# Altium PCB PCB_ControlCard.PcbDoc (part 4 of 4) (continued)
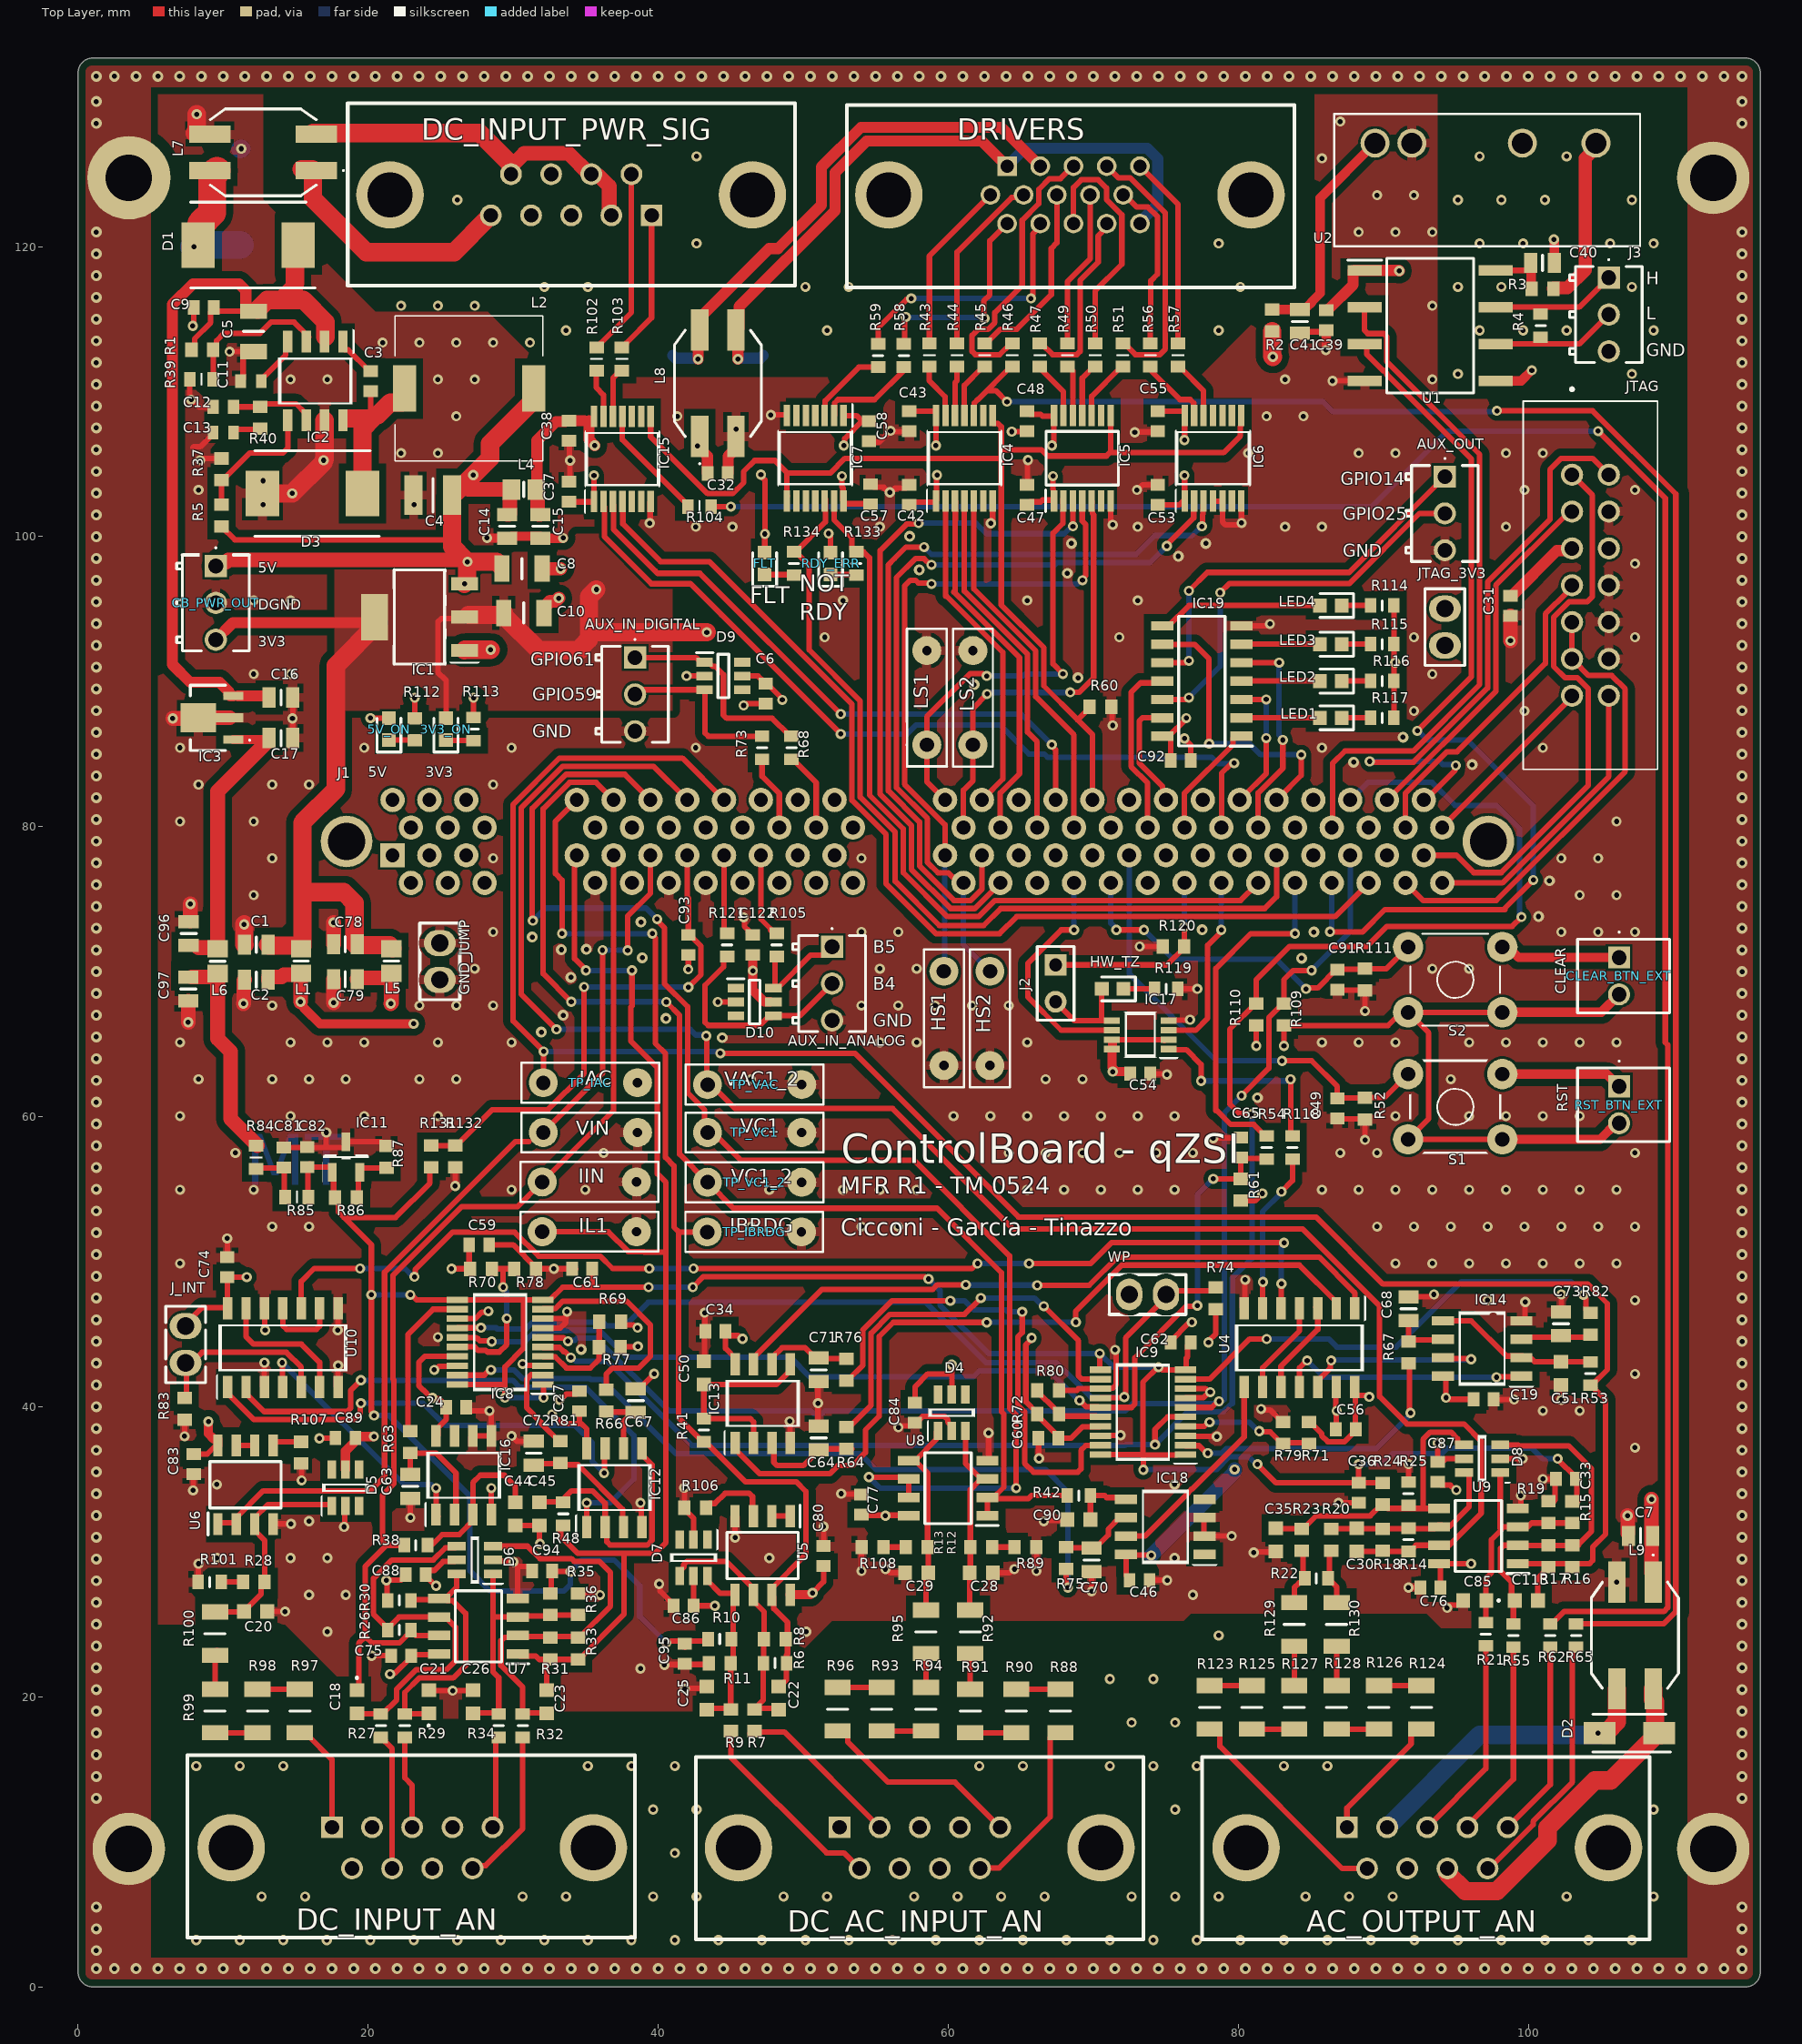
[diagram p0: Top Layer view]
## Nets (pads, with @x,y where several pads share a name; then routed paths per layer and width w, separated by ;. In a path a pad name is that pad's centre, name@x,y a point inside that pad or via, vN(x,y) a via of type N, cw(c..) or ccw(c..) an arc to the next point about the centre after c; other vN are vias at no path point) (continued)
NetR99_1: R99.1 R100.2 | length 2.7
  Top Layer w0.381: R99.1@9.445,20.518 R100.2@9.445,22.852 9.445,23.082 R100.2@9.572,23.209
NetR106_2: R106.2 U5.3 | length 5
  Top Layer w0.381: R106.2@43.382,33.135 43.382,33.163 43.549,33.33 43.91,33.33 44.614,34.033 46.281,34.033 46.504,33.81 46.504,32.521 U5.3@46.569,32.456
NetR107_2: R107.2 U6.5 | length 2.4
  Top Layer w0.381: U6.5@13.446,37.331 13.446,37.457 13.581,37.592 R107.2@15.64,37.592
NetR118_1: R118.1 U4.6 | length 11.1
  Top Layer w0.381: U4.6@81.68,46.781 81.694,46.795 81.694,48.595 v2(81.708,48.609) ; v2(82.978,54.832) 83.74,55.594 R118.1@83.74,57.08
  Bottom Layer w0.381: v2(81.708,48.609) 81.68,48.637 81.68,53.461 82.94,54.721 v2@83.026,54.721
NetR123_1: R123.1 R125.2 | length 3
  Top Layer w0.381: R123.1@78.025,20.772 80.843,20.772 R125.2@80.946,20.669
NetR124_1: R124.1 R126.2 | length 2.9
  Top Layer w0.381: R126.2@89.709,20.772 92.606,20.772 R124.1@92.63,20.796
NetR125_1: R125.1 R127.2 | length 2.9
  Top Layer w0.381: R125.1@80.946,17.772 83.843,17.772 R127.2@83.867,17.748
NetR126_1: R126.1 R128.2 | length 2.6
  Top Layer w0.381: R128.2@86.788,17.772 89.177,17.772 R126.1@89.328,17.621
NetR127_1: R127.1 R129.2 | length 2.7
  Top Layer w0.381: R127.1@83.867,20.772 R129.2@83.867,23.487
NetR128_1: R128.1 R130.2 | length 2.7
  Top Layer w0.381: R128.1@86.788,20.772 R130.2@86.788,23.487
NetR133_2: R133.2 RDY_ERR.1 | length 2
  Top Layer w0.381: RDY_ERR.1@51.886,97.405 51.911,97.38 53.752,97.38 R133.2@53.816,97.444
NetU4_3: U4.3 U4.10 | length 6.6
  Top Layer w0.381: U4.10@82.95,41.357 82.95,42.799 85.49,45.339 85.49,46.736 U4.3@85.363,46.863
NetU4_4: U4.4 U4.9 | length 6.3
  Top Layer w0.381: U4.9@81.68,41.357 81.68,42.691 84.22,45.231 U4.4@84.22,46.609
NetU4_5: U4.5 U10.10 | length 78.2
  Top Layer w0.381: U10.10@15.386,46.781 15.386,48.641 16.275,49.53 v2(19.45,49.53) ; v2(23.193,48.962) 23.237,49.006 23.237,49.459 24.353,50.574 25.807,52.028 30.107,52.028 31.753,50.382 36.009,50.382 36.861,49.53 v2(39.389,49.53) ; v2(42.437,49.53) 61.64,49.53 61.989,49.879 v2(62.023,49.879) ; v2(65.579,49.879) 69.834,49.879 71.263,51.308 v2(83.164,51.308) ; U4.5@82.95,46.736 82.964,46.75 82.964,48.468 v2(82.978,48.482)
  Bottom Layer w0.381: v2(19.45,49.53) 22.539,49.53 23.107,48.962 v2(23.193,48.962) ; v2(39.389,49.53) v2(42.437,49.53) ; v2(62.023,49.879) v2(65.579,49.879) ; v2(82.978,48.482) 82.978,51.036 83.164,51.222 v2(83.164,51.308)
NetU5_1: U5.1 U5.2 | length 1.3
  Top Layer w0.381: U5.2@47.839,32.456 U5.1@49.109,32.456
NetU6_6: U6.6 U6.7 | length 1.4
  Top Layer w0.381: U6.7@10.906,37.331 12.077,37.331 U6.6@12.211,37.465
NetU10_6: U10.6 U10.13 | length 9.3
  Top Layer w0.381: U10.13@11.576,46.609 11.576,44.831 12.093,44.314 15.395,44.314 16.656,43.053 U10.6@16.656,41.357
NetU10_9: U10.9 U10.11 | length 5.1
  Top Layer w0.381: U10.11@14.116,46.736 14.116,45.593 14.37,45.339 16.433,45.339 16.656,45.562 U10.9@16.656,46.781
OC: IC15.4 J1.46 | length 71.8
  Top Layer w0.381: IC15.4@37.564,102.261 37.564,100.881 40.163,98.282 43.529,98.282 53.371,88.44 53.371,81.81 55.721,79.459 55.721,76.057 59.15,72.628 63.544,72.628 64.716,73.8 86.67,73.8 J1.46@88.994,76.124
OC_5V: R62.2 R104.2 | length 155
  Top Layer w0.381: R104.2@43.646,102.076 v2(45.005,102.076) ; R62.2@101.52,25.025 101.62,25.025 102.471,25.876 109.35,25.876 109.615,26.141 109.615,64.958 109.455,65.119 109.455,102.65 v2(104.822,107.283)
  Bottom Layer w0.381: v2(45.005,102.076) 89.222,102.076 94.429,107.283 v2(104.822,107.283)
OCP: J1.36 J2.1 R120.1 | length 13.9
  Top Layer w0.381: J2.1@67.405,70.469 75.088,70.469 76.358,71.739 76.286,71.811 76.286,73.078 v2(76.289,73.081)
  Bottom Layer w0.381: v2(76.289,73.081) 76.295,73.087 J1.36@76.294,76.124
POT1_P0W: IC8.12 R63.2 | length 10.9
  Top Layer w0.381: R63.2@22.907,38.31 22.752,38.465 22.752,44.993 24.484,46.725 IC8.12@26.164,46.725
POT1_P1W: IC8.9 R66.2 | length 15.1
  Top Layer w0.381: IC8.9@32.04,46.725 32.075,46.76 32.908,46.76 33.146,46.997 33.146,47.006 33.417,47.277 37.832,47.277 39.472,45.637 39.472,43.486 38.658,42.672 36.849,42.672 36.416,42.239 R66.2@36.416,41.171
POT1_P2W: IC8.19 R75.2 | length 53.6
  Top Layer w0.381: IC8.19@26.164,42.175 28.01,42.175 28.381,42.546 v2(28.467,42.546) ; R75.2@68.119,28.809 68.119,27.74 68.246,27.613 v2(68.246,27.527)
  Bottom Layer w0.381: v2@28.495,42.513 28.528,42.546 30.042,42.546 30.642,41.946 35.285,41.946 35.353,41.878 36.115,41.878 41.23,36.763 53.93,36.763 55.038,35.655 66.722,35.655 68.246,34.131 v2(68.246,27.527)
POT1_P3W: IC8.2 R81.2 | length 6.9
  Top Layer w0.381: IC8.2@32.277,42.232 31.263,42.232 30.934,41.903 30.934,39.921 31.933,38.922 31.933,38.848 R81.2@33.316,37.465
POT2_P0W: IC9.12 R64.2 | length 27.7
  Top Layer w0.381: R64.2@53.105,38.596 53.18,38.596 54.68,40.096 54.68,45.072 55.982,46.374 61.125,46.374 62.145,47.394 v2@62.226,47.394 ; v2(66.595,46.933) 68.98,44.548 68.98,42.122 69.203,41.899 IC9.12@70.487,41.899
  Bottom Layer w0.381: v2(62.249,47.498) 65.943,47.498 66.509,46.933 v2(66.595,46.933)
POT2_P1W: IC9.9 R82.2 | length 32.6
  Top Layer w0.381: IC9.9@76.363,41.899 78.018,41.899 80.791,44.672 v2(81.962,44.672) ; v2(103.806,47.72) 103.806,47.634 103.977,47.463 103.977,46.705 103.99,46.691 104.073,46.691 R82.2@104.314,46.45
  Bottom Layer w0.381: v2(81.962,44.672) 86.25,44.672 86.811,44.112 90.886,44.112 95.383,48.609 102.948,48.609 103.806,47.751 v2(103.806,47.72)
POT2_P2W: IC9.19 R76.2 | length 33.8
  Top Layer w0.381: R76.2@53.105,41.795 53.105,41.847 54.121,42.863 54.121,45.304 56.125,47.308 v2(60.153,47.308) ; v2(65.103,46.549) 65.103,45.119 64.795,44.811 64.795,40.118 65.27,39.642 65.27,36.104 65.881,35.493 68.934,35.493 69.158,35.716 69.158,36.992 69.497,37.331 70.469,37.331 IC9.19@70.487,37.349
  Bottom Layer w0.381: v2(60.153,47.308) 61.129,47.308 61.765,46.671 63.991,46.671 64.113,46.549 v2(65.103,46.549)
POT2_P3W: IC9.2 R67.2 | length 20.5
  Top Layer w0.381: IC9.2@76.363,37.349 76.398,37.314 77.295,37.314 77.812,36.798 v2(77.898,36.798) ; R67.2@91.75,43 91.821,42.929 91.821,39.639 v2(91.882,39.578)
  Bottom Layer w0.381: v2(77.898,36.798) 78.852,36.798 79.159,37.105 89.508,37.105 91.722,39.319 91.722,39.332 v2@91.959,39.569
RDY: IC7.13 J1.40 R133.1 | length 54.4
  Top Layer w0.381: IC7.13@52.13,102.475 52.13,101.158 53.362,99.927 53.362,99.165 53.482,99.044 R133.1@53.881,99.044 ; R133.1@54.07,98.955 54.17,98.955 54.578,98.547 54.578,82.183 56.901,79.859 56.901,76.835 59.936,73.8 62.1,73.8 63.217,74.917 80.168,74.917 81.307,76.057 J1.40@81.375,76.057
RDY_5V: IC7.2 R58.1 | length 6.6
  Top Layer w0.381: IC7.2@52.13,108.351 52.165,108.385 52.165,109.219 52.403,109.457 54.926,109.457 R58.1@56.943,111.474
RDY_5V_RAW: DRIVERS.11 R58.2 | length 14.6
  Top Layer w0.381: R58.2@56.943,113.29 57.009,113.356 57.009,115.096 v2(57.07,115.157) ; v2(62.498,115.062) 62.446,115.115 62.446,116.258 62.868,116.68 62.868,120.4 DRIVERS.11@64.059,121.591
  Bottom Layer w0.381: v2(57.07,115.157) 57.117,115.11 62.357,115.11 v2@62.404,115.157 ; DRIVERS.11@64.035,121.591 DRIVERS.11@64.103,121.523
RST: IC4.5 J1.80 | length 25.4
  Top Layer w0.381: IC4.5@61.767,102.475 61.767,96.392 66.034,92.125 66.034,88.972 68.674,86.332 J1.80@68.674,79.939
RST_5V: DRIVERS.3 R46.2 | length 19.7
  Top Layer w0.381: R46.2@64.436,113.252 64.246,113.252 63.551,112.556 61.862,112.556 61.646,112.772 61.646,113.877 62.06,114.292 62.743,114.292 63.216,114.765 63.216,115.448 65.102,117.334 65.102,121.82 66.247,122.965 66.247,123.953 66.978,124.684 67.743,124.684 68.609,125.551 DRIVERS.3@68.639,125.551
RST_5V_DRIVER: IC4.10 R46.1 R65.2 | length 139.2
  Top Layer w0.381: IC4.10@61.767,108.351 61.802,108.385 61.802,109.219 62.04,109.457 62.051,109.457 64.354,111.76 R46.1@64.408,111.76 ; 62.785,110.077 63.281,110.077 v2(64.055,109.303) ; v2(97.837,108.68) 104.441,108.68 110.174,102.947 110.174,25.866 109.333,25.025 R65.2@103.298,25.025
  Bottom Layer w0.381: v2(64.055,109.303) 85.851,109.303 86.534,108.62 97.777,108.62 v2(97.837,108.68)
RST_BTN: C49.1 J1.33 R52.2 RST_BTN_EXT.1 S1.1 | length 40.5
  Top Layer w0.381: v2(83.026,63.853) 85.07,63.853 86.836,62.087 C49.1@86.836,61.253 86.866,61.283 R52.2@88.699,61.283 ; R52.2@88.741,61.313 90.087,61.313 S1.1@91.714,62.94 91.75,62.976 S1.1@91.789,62.976
  Top Layer w0.635: S1.1@98.214,62.94 105.414,62.94 106.14,62.214 RST_BTN_EXT.1@106.267,62.214
  Bottom Layer w0.381: J1.33@72.231,77.835 72.484,77.582 72.484,69.862 78.481,63.865 83.014,63.865 v2(83.026,63.853)
RX-SLAVE: J1.43
SB1: IC4.3 J1.76 | length 26.2
  Top Layer w0.381: 60.496,101.166 60.496,102.446 IC4.3@60.467,102.475 60.467,96.262 60.392,96.187 64.916,91.662 64.916,83.645 63.594,82.324 63.594,80.212 J1.76@63.519,80.137
  Bottom Layer w0.381: J1.76@63.519,79.883 J1.76@63.585,79.949
SB1_5V: DRIVERS.7 R44.2 | length 12.6
  Top Layer w0.381: R44.2@60.795,113.411 60.672,113.534 60.609,113.534 60.609,119.617 64.378,123.386 65.019,123.386 DRIVERS.7@65.204,123.571
SB2: IC5.3 J1.26 | length 47.2
  Top Layer w0.381: v2(57.959,100.933) 57.898,100.872 57.136,100.872 55.315,99.051 55.315,82.236 57.46,80.091 57.46,77.066 60.168,74.358 61.829,74.358 J1.26@63.594,76.124 ; IC5.3@68.595,102.475 68.597,102.473 68.597,100.713 v2(68.599,100.711)
  Bottom Layer w0.381: v2(57.959,100.933) 61.915,100.933 62.645,100.203 68.005,100.203 68.513,100.711 v2(68.599,100.711)
SB2_5V: DRIVERS.9 R49.2 | length 10.9
  Top Layer w0.381: R49.2@68.229,113.325 68.229,117.602 69.784,119.157 DRIVERS.9@69.784,123.571
SCL: IC8.5 IC9.5 J1.95 R110.1 | length 126.4
  Top Layer w0.381: IC8.5@32.04,44.125 32.075,44.09 33.192,44.09 33.484,43.798 33.566,43.798 v2(33.974,43.39) ; v2(74.263,37.389) 74.263,38.438 75.124,39.299 IC9.5@76.363,39.299 ; v2(80.925,60.187) 80.885,60.227 80.06,60.227 79.422,60.865 79.422,66.039 81.248,67.865 81.248,69.453 83.543,71.748 88.877,71.748 90.25,73.121 98.883,73.121 99.532,73.771 v2(99.536,73.771)
  Bottom Layer w0.381: v2(33.974,43.39) 34.06,43.39 34.328,43.123 36.529,43.123 42.329,37.322 72.184,37.322 72.251,37.389 v2(74.263,37.389) 76.529,39.655 78.977,39.655 79.549,40.227 ; 79.597,40.227 79.597,48.879 80.946,50.228 80.946,60.166 v2(80.925,60.187) ; J1.95@87.724,81.844 88.931,83.05 93.372,83.05 94.96,81.462 97.809,81.462 99.409,79.862 99.409,73.898 v2(99.536,73.771)
SDA: IC8.6 IC9.6 J1.45 R109.1 | length 94.1
  Top Layer w0.381: IC8.6@32.04,44.775 32.066,44.749 33.463,44.749 33.695,44.516 v2(33.782,44.516) ; IC9.6@76.363,39.949 78.169,39.949 78.594,40.374 v2(78.68,40.374) ; v2(80.232,61.452) 82.116,63.336 82.116,66.828 83.09,67.802 83.153,67.802 83.153,69.453 83.788,70.088 v2(85.058,70.088)
  Bottom Layer w0.381: v2(33.782,44.516) 33.843,44.577 34.258,44.577 34.403,44.723 35.719,44.723 40.723,39.719 50.53,39.719 50.724,39.525 51.32,39.525 51.514,39.719 72.215,39.719 72.71,40.214 78.434,40.214 78.594,40.374 v2(78.68,40.374) ; v2@78.757,40.225 79.038,40.506 79.038,60.258 v2(80.232,61.452) ; v2(85.058,70.088) 87.724,72.754 J1.45@87.724,78.029
TCK: J1.48 JTAG.9 JTAG.11 | length 32
  Top Layer w0.381: J1.48@91.534,76.124 92.741,74.917 97.801,74.917 106.689,83.805 106.689,89.496 105.764,90.422 104.161,90.422 JTAG.11@103.143,91.44 ; JTAG.9@102.612,93.98 103.016,93.576 JTAG.11@103.016,91.567
TDI: J1.97 JTAG.3 | length 25
  Top Layer w0.381: J1.97@90.264,81.844 90.273,81.844 97.758,89.329 97.758,96.655 JTAG.3@102.796,101.693
TDO: J1.98 JTAG.7 | length 21.5
  Top Layer w0.381: J1.98@91.534,79.939 91.534,82.315 94.393,85.173 95.098,85.173 101.187,91.262 101.187,94.671 102.714,96.198 JTAG.7@102.714,96.441
TMS: J1.49 JTAG.1 | length 39.7
  Top Layer w0.381: J1.49@92.804,78.029 95.05,78.029 96.244,76.836 98.139,76.836 104.149,82.846 104.149,89.496 103.368,90.278 102.527,90.278 101.746,91.059 101.746,94.44 102.81,95.504 104.063,95.504 104.423,95.864 104.423,102.86 JTAG.1@103.016,104.267
TRSTN: J1.99 JTAG.2 | length 41.3
  Top Layer w0.381: v2(89.068,84.502) 89.117,84.453 92.092,84.453 97.199,89.56 97.199,96.886 101.492,101.179 101.492,104.618 102.274,105.4 104.423,105.4 JTAG.2@105.556,104.267 ; J1.99@92.856,81.788 94.942,83.874 94.942,84.161 v2(95.003,84.222)
  Bottom Layer w0.381: v2(89.068,84.502) 93.891,84.502 94.11,84.283 94.942,84.283 v2(95.003,84.222)
TX-SLAVE: J1.93
TZ-5: IC17.3 J1.38 | length 12.7
  Top Layer w0.381: IC17.3@75.197,65.968 77.077,65.968 77.895,66.786 77.895,71.815 78.835,72.755 v2(78.835,72.882)
  Bottom Layer w0.381: J1.38@78.708,76.057 78.835,75.93 v2@78.835,72.882
VAC1_2: C30.1 J1.63 R14.2 R18.2 TP_VAC.1 U9.7 | length 126.1
  Top Layer w0.381: v2(32.988,66.024) 30.552,68.46 30.552,81.299 33.422,84.168 39.68,84.168 J1.63@42.004,81.844 ; v2(43.319,65.576) 43.36,65.535 43.36,62.256 TP_VAC.1@43.402,62.214 43.656,62.214 45.307,60.563 56.165,60.563 64.478,52.25 84.445,52.25 89.75,46.945 89.75,40.693 91.635,38.809 95.575,38.809 96.75,37.634 96.75,32.652 94.546,30.448 94.109,30.448 92.26,30.448 91.752,29.94 R14.2@91.741,29.94 ; C30.1@88.185,30.029 R14.2@91.703,30.029
  Bottom Layer w0.381: v2(32.988,66.024) 42.207,66.024 42.593,65.637 43.258,65.637 v2(43.319,65.576) ; TP_VAC.1@43.149,62.341 TP_VAC.1@43.478,62.67
VAC1_AO+: C35.1 D8.4 R23.1 R24.1 R25.1 U9.5 | length 20.5
  Top Layer w0.381: C35.1@82.597,31.629 82.622,31.604 84.362,31.604 R23.1@84.375,31.591 ; R23.1@84.439,31.528 85.383,32.472 89.106,32.472 89.888,33.254 R24.1@89.963,33.254 ; R24.1@90.05,33.242 90.304,32.988 91.741,32.988 92.75,32.988 ; U9.5@94.109,32.988 92.75,32.988 ; D8.4@95.571,37.367 95.246,37.367 95.137,37.477 95.137,37.802 94.688,38.25 93.25,38.25 92.75,37.75 92.75,32.988
VAC1_sns: AC_OUTPUT_AN.6 R123.2 | length 15.5
  Top Layer w0.381: R123.2@77.898,17.748 78.424,17.748 78.735,17.438 78.735,16.582 87.156,8.16 AC_OUTPUT_AN.6@88.885,8.16
VAC2_AO-: C30.2 D8.6 R14.1 R18.1 R20.1 U9.6 | length 12.7
  Top Layer w0.381: R20.1@86.407,31.579 R18.1@89.963,31.579 93.533,31.579 93.798,31.845 U9.6@94.027,31.845 ; U9.6@94.154,31.718 94.546,31.718 95.932,33.104 95.932,35.358 95.823,35.467 D8.6@95.571,35.467
VAC2_sns: AC_OUTPUT_AN.1 R124.2 | length 8.8
  Top Layer w0.381: AC_OUTPUT_AN.1@87.5,11 87.5,12.322 91.92,16.742 91.92,17.438 92.104,17.621 R124.2@92.376,17.621
VC1: J1.61 TP_VC1.1 U8.6 U8.7 | length 98.4
  Top Layer w0.381: v2(31.351,73.517) 31.312,73.556 31.312,81.268 33.653,83.609 37.699,83.609 39.266,82.042 J1.61@39.643,82.042 ; v2(39.925,73.628) 39.925,73.542 40.433,73.034 40.433,69.183 42.034,67.582 42.034,61.647 43.197,60.484 43.197,59.117 TP_VC1.1@43.402,58.912 43.783,58.912 45.688,57.007 57.626,57.007 64.236,50.397 64.236,39.886 64.69,39.432 v2(64.69,34.385) ; v2(54.53,35.147) 57.197,35.147 57.279,35.065 U8.7@57.279,33.75 ; U8.7@57.197,33.75 U8.7@57.279,33.832
  Bottom Layer w0.381: v2(31.351,73.517) 32.224,74.39 39.163,74.39 v2(39.925,73.628) ; v2(54.53,35.147) 55.292,34.385 v2(64.69,34.385)
VC1_2: J1.59 R42.1 TP_VC1_2.1 U8.1 U8.2 | length 86
  Top Layer w0.381: v2(34.004,67.929) 32.069,69.864 32.069,81.235 33.884,83.05 35.718,83.05 J1.59@36.924,81.844 ; v2(40.56,67.913) 41.475,66.998 41.475,57.41 TP_VC1_2.1@43.402,55.483 ; TP_VC1_2.1@43.418,55.467 45.196,53.689 59.229,53.689 63.677,49.241 63.677,39.655 63.834,39.498 63.834,34.443 63.057,33.667 62.995,33.667 65.532,33.667 65.742,33.877 R42.1@68.208,33.877 ; U8.1@62.703,32.525 U8.2@62.703,33.75 U8.2@62.912,33.75
  Bottom Layer w0.381: v2(34.004,67.929) 40.544,67.929 v2(40.56,67.913)
VC1_2_AO+: C28.1 D4.3 R12.2 R92.1 U8.3 | length 13.1
  Top Layer w0.381: D4.3@61.134,38.322 61.195,38.261 61.195,36.091 62.266,35.02 U8.3@62.703,35.02 ; C28.1@61.477,28.797 61.477,26.017 R92.1@61.515,25.979 ; C28.1@61.527,28.797 R12.2@61.527,30.079 ; R12.2@61.527,30.321 61.527,34.281 U8.3@62.139,34.893
VC1_2_sns: DC_AC_INPUT_AN.9 R88.2 | length 12.7
  Top Layer w0.381: DC_AC_INPUT_AN.9@62.195,8.16 62.227,8.192 63.517,8.192 67.028,11.704 67.028,17.184 67.212,17.367 R88.2@67.865,17.367
VC1_2_TR: C70.1 IC18.6 R75.1 | length 5.1
  Top Layer w0.381: R75.1@68.119,30.309 68.147,30.281 C70.1@69.897,30.281 ; C70.1@69.897,30.252 70.137,30.252 71.047,31.162 71.047,31.573 71.827,32.353 IC18.6@72.056,32.353
VC1_2_Trp: IC18.7 U4.8 | length 14.4
  Top Layer w0.381: IC18.7@72.265,31.083 73.58,31.083 76.558,34.061 76.558,34.101 76.774,34.316 76.813,34.316 80.41,37.913 U4.8@80.41,41.357
VC1_AO+: C29.1 D4.1 R13.2 R95.1 U8.5 | length 13.8
  Top Layer w0.381: U8.5@57.279,36.29 U8.5@57.716,36.29 ; R95.1@58.467,25.979 58.467,28.632 58.632,28.797 R13.2@58.632,30.144 ; R13.2@58.582,30.321 58.582,35.424 U8.5@57.716,36.29 ; D4.1@59.356,38.449 59.186,38.279 59.186,37.759 U8.5@57.716,36.29
VC1_sns: DC_AC_INPUT_AN.5 R96.2 | length 14.1
  Top Layer w0.381: R96.2@52.498,17.621 52.77,17.621 53.081,17.311 53.081,16.875 55.842,14.114 60.466,14.114 DC_AC_INPUT_AN.5@63.58,11
VIN: J1.11 TP_VIN.1 U6.1 U6.2 | length 64.1
  Top Layer w0.381: U6.1@9.636,31.907 9.733,32.004 U6.2@10.906,32.004 ; U6.2@10.906,31.907 U6.2@10.906,32.004 ; 31.077,58.293 30.153,58.293 21.13,49.269 21.13,35.177 20.153,34.2 12.762,34.2 10.906,32.345 U6.2@10.906,32.004 ; TP_VIN.1@32.055,58.833 32.055,58.891 36.163,62.999 v2(36.163,71.485) ; v2(37.893,71.469) 37.893,73.831 39.464,75.402 J1.11@39.464,77.926
  Bottom Layer w0.381: v2(36.163,71.485) 36.171,71.477 37.885,71.477 v2(37.893,71.469)
Vin_AO+: C20.1 D5.1 R28.2 R100.1 U6.3 | length 14.9
  Top Layer w0.381: R100.1@9.445,25.852 9.457,25.864 C20.1@11.338,25.864 ; C20.1@11.439,25.876 11.439,25.901 12.628,27.09 12.628,27.662 R28.2@12.868,27.902 ; U6.3@12.112,31.907 12.112,31.534 12.862,30.784 R28.2@12.862,27.908 ; U6.3@12.176,31.907 12.176,32.345 13.074,33.242 D5.1@17.446,33.242
Vin_sns: DC_INPUT_AN.1 R97.2 | length 7.8
  Top Layer w0.381: R97.2@15.057,17.549 R97.2@15.287,17.549 ; R97.2@15.287,17.367 15.813,17.367 17.5,15.68 DC_INPUT_AN.1@17.5,11
VSEL_1: IC15.2 J1.88 | length 57.3
  Top Layer w0.381: IC15.2@36.286,102.076 36.286,100 39.537,96.749 42.229,96.749 44.366,94.612 v2(52.59,86.389) ; J1.88@78.886,80.137 78.85,80.173 78.85,83.689 79.474,84.312 79.562,84.312 79.638,84.388 v2(79.724,84.388)
  Bottom Layer w0.381: v2(52.59,86.389) 57.159,86.389 57.788,87.017 63.557,87.017 65.567,85.007 66.636,85.007 66.856,84.787 78.181,84.787 78.612,84.356 79.692,84.356 v2(79.724,84.388)
VSEL_1_5V: DC_INPUT_PWR_SIG.6 R102.2 | length 12.8
  Top Layer w0.381: R102.2@35.75,113.05 35.85,113.05 36.06,113.26 36.06,113.36 38.159,115.459 38.159,124.659 DC_INPUT_PWR_SIG.6@38.25,124.75
ZR1: IC6.3 J1.25 | length 54.3
  Top Layer w0.381: v2(58.34,99.282) 58.339,99.283 57.092,99.283 56.3,98.491 55.873,98.065 55.873,82.468 58.019,80.322 58.019,77.298 60.399,74.917 61.554,74.917 62.324,75.688 J1.25@62.324,78.029 ; v2(77.489,100.711) 77.55,100.772 77.55,101.534 77.578,101.562 77.578,102.197 IC6.3@77.616,102.235
  Bottom Layer w0.381: v2(58.34,99.282) 58.848,98.774 72.945,98.774 74.247,100.076 76.821,100.076 77.456,100.711 v2(77.489,100.711)
ZR1_5V: DRIVERS.5 R57.2 | length 13.5
  Top Layer w0.381: DRIVERS.5@73.219,125.551 75.838,122.932 R57.2@75.838,113.157
ZR2: IC4.2 J1.75 | length 22.8
  Top Layer w0.381: IC4.2@59.817,102.475 59.817,95.904 59.836,95.885 ; 59.87,95.919 63.773,92.015 63.773,83.293 62.503,82.023 J1.75@62.503,81.915
  Bottom Layer w0.381: J1.75@62.503,81.788 J1.75@62.503,81.844
ZR2_5V: DRIVERS.6 R43.2 | length 12
  Top Layer w0.381: R43.2@58.704,113.325 58.704,119.361 DRIVERS.6@62.914,123.571
pads on no net: AC_OUTPUT_AN.7 D4.4 D4.6 D5.3 D5.4 D5.6 D7.1 D7.3 D9.4 D9.6 D10.1 D10.3 DC_AC_INPUT_AN.1 DC_AC_INPUT_AN.3 DC_AC_INPUT_AN.4 DC_AC_INPUT_AN.7 DC_AC_INPUT_AN.8 DC_INPUT_AN.2 DC_INPUT_AN.4 DC_INPUT_AN.6 DC_INPUT_AN.8 DC_INPUT_PWR_SIG.3 DC_INPUT_PWR_SIG.4 DC_INPUT_PWR_SIG.8 IC4.6 IC4.9 IC5.6 IC5.9 IC6.6 IC6.9 IC6.10 IC6.11 IC7.4 IC7.5 IC7.6 IC7.9 IC7.10 IC7.11 IC15.5 IC15.6 IC15.9 IC15.10 IC16.7 IC18.1 IC18.4 J1.1 J1.2 J1.3 J1.4 J1.5 J1.6 J1.16 J1.18 J1.19 J1.20 J1.21 J1.22 J1.28 J1.29 J1.31 J1.34 J1.35 J1.39 J1.51 J1.52 J1.53 J1.54 J1.55 J1.56 J1.66 J1.67 J1.69 J1.71 J1.72 J1.83 J1.AA J1.AB JTAG.6 S1.0 S2.0

## Polygon pours and split planes (outlines as drawn)
GND-ISO on Inner 1 "NONET_L-01_P-001" (solid, remove dead copper, pour order 38): 93.773,109.442 93.773,130.524 110.283,130.524 110.283,109.442
AGND on Inner 1 "DGND_Inner1" (solid, remove dead copper, pour order 37): 16.25,130 16.25,122.75 20.75,118.25 31.5,118.25 36.25,113.5 78.75,113.5 84.5,119.25 84.5,130 93.75,130 93.75,109.5 111,109.5 111,46 5,46 5,130
AGND on Inner 1 "AGND_Inner1" (solid, remove dead copper, pour order 32): 87,57.515 94.509,50.006 111,50.006 111,17.75 5,17.75 5,70.215 25.215,70.215 29.5,74.5 29.5,84.5 31,86 47,86 54,79 54,67 63.485,57.515
AGND on Inner 1 "Retorno drivers" (solid, pour order 11): 66.5,124.5 67.5,125.5 67.5,126.25 68,126.75 73.5,126.75 76.75,123.5 76.75,111.75 54,111.75 54,115 57.5,118.5 57.5,119.75 62.25,124.5
EARTH on Inner 1 "Guarda L2 A" (solid, pour order 13): 111,131 0,131 0,133 116,133 116,0 0,0 0,2 111,2
EARTH on Inner 1 "EARTH L2" (solid, pour order 29): 5,2 5,24.25 14,24.25 17.25,21 17.25,18.75 18.25,17.75 33.25,17.75 33.75,18.25 49,18.25 50.25,19.5 50.25,22 52.75,24.5 76.75,24.5 77.25,25 92.75,25 93.75,24 111,24 111,2
EARTH on Inner 1 "Earth L2 Top" (solid, pour order 30): 78,112.744 84.5,119.244 84.5,131 13.75,131 13.75,124.5 21,117.25 29.704,117.25 34.454,112.5 53.016,112.5 53.26,112.744
EARTH on Inner 1 "Guarda L2 B" (solid, pour order 19): 0,131 5,131 5,2 0,2
GND-ISO on Inner 2 "NONET_L-01_P-001" (solid, remove dead copper, pour order 39): 93.773,109.442 93.773,130.524 110.283,130.524 110.283,109.442
AGND on Inner 2 "DGND_Inner2" (solid, remove dead copper, pour order 34): 93.75,131 93.75,109.5 111,109.5 111,46 5,46 5,131
AGND on Inner 2 "AGND_Inner2" (solid, remove dead copper, pour order 33): 87,57.515 96.515,48 111,48 111,17.25 5,17.25 5,70.215 25.215,70.215 29.5,74.5 29.5,84.5 31,86 47,86 54,79 54,67 63.485,57.515
EARTH on Inner 2 "EARTH L3" (solid, pour order 24): 5,2 5,24.25 14,24.25 17.25,21 17.25,18.75 18.25,17.75 33.25,17.75 33.75,18.25 49,18.25 50.25,19.5 50.25,22 52.75,24.5 76.75,24.5 77.25,25 92.75,25 93.75,24 111,24 111,2
EARTH on Inner 2 "Guarda L3 A" (solid, pour order 7): 111,131 0,131 0,133 116,133 116,0 0,0 0,2 111,2
EARTH on Inner 2 "Earth L3 Top" (solid, remove dead copper, pour order 20): 78,112.744 78,112.75 84.5,119.25 84.5,131 13.75,131 13.75,124.5 21,117.25 29.704,117.25 34.454,112.5 53.016,112.5 53.26,112.744
EARTH on Inner 2 "Guarda L3 B" (solid, pour order 15): 0,131 5,131 5,2 0,2
AGND on Bottom Layer "DGND_Inner1" (solid, remove dead copper, pour order 36): 93.75,131 93.75,109.5 111,109.5 111,46 5,46 5,131
AGND on Bottom Layer "AGND_Inner1" (solid, remove dead copper, pour order 35): 87,57.515 94.509,50.006 111,50.006 111,18.25 5,18.25 5,70.215 25.215,70.215 29.5,74.5 29.5,84.5 31,86 47,86 54,79 54,67 63.485,57.515
EARTH on Bottom Layer "Guarda L4 A" (solid, pour order 16): 111,131 0,131 0,133 116,133 116,0 0,0 0,2 111,2
EARTH on Bottom Layer "EARTH L4" (solid, pour order 22): 5,2 5,24.25 14,24.25 17.25,21 17.25,18.75 18.25,17.75 33.25,17.75 33.75,18.25 49,18.25 50.25,19.5 50.25,22 52.75,24.5 76.75,24.5 77.25,25 92.75,25 93.75,24 111,24 111,2
EARTH on Bottom Layer "Earth L4 Top" (solid, pour order 23): 78,112.744 84.5,119.244 84.5,131 13.75,131 13.75,119.25 15.75,117.25 29.704,117.25 34.454,112.5 53.016,112.5 53.26,112.744
EARTH on Bottom Layer "Guarda L4 B" (solid, pour order 18): 0,131 5,131 5,2 0,2
AGND on Top Layer "DGND_Top" (solid, remove dead copper, pour order 31): 93.75,131 93.75,109.5 111,109.5 111,46 5,46 5,131
AGND on Top Layer "AGND_Top" (solid, remove dead copper, pour order 26): 87,57.515 94.509,50.006 111,50.006 111,17.75 5,17.75 5,70.215 25.215,70.215 29.5,74.5 29.5,84.5 31,86 47,86 54,79 54,67 63.485,57.515
3V3 on Top Layer "3V3" (solid, remove dead copper, pour order 25): 17.671,100.198 41,100.198 41,88 17.671,88
EARTH on Top Layer "Guarda L1 B" (solid, pour order 3): 0,131 5,131 5,2 0,2
EARTH on Top Layer "Guarda L1 A" (solid, pour order 12): 111,131 0,131 0,133 116,133 116,0 0,0 0,2 111,2
EARTH on Bottom Solder "Guarda L1 B" (solid, pour order 40): 0,131 5,131 5,2 0,2
EARTH on Bottom Solder "Guarda L1 A" (solid, pour order 41): 111,131 0,131 0,133 116,133 116,0 0,0 0,2 111,2

## Other copper
Top Layer:
  pour cut-out: 12.75,130.524 12.75,123.25 20.5,115.5 28.25,115.5 33,110.75 33.25,111 77.297,111 85.264,118.967 85.264,130.524
  pour cut-out: 33,18.5 33.5,19 48.75,19 49.75,20 49.75,23 52,25.25 76.25,25.25 76.75,25.75 93,25.75 94,24.75 111,24.75 111,2 5,2 5,25 14.25,25 18,21.25 18,19 18.5,18.5
Bottom Layer:
  text "TM" at 18.594,54.125 h6

## Silkscreen, mask and mechanical layers (free items; w line width, h text height)
Top Overlay:
  lines w0.254: 7.54,3.397 38.401,3.397 38.401,15.97 7.54,15.97 7.54,3.397 ; 18.589,117.316 18.589,129.889 49.45,129.889 49.45,117.316 18.589,117.316 ; 42.592,3.27 73.453,3.27 73.453,15.843 42.592,15.843 42.592,3.27 ; 53.006,117.189 83.867,117.189 83.867,129.762 53.006,129.762 53.006,117.189 ; 77.517,3.27 108.378,3.27 108.378,15.843 77.517,15.843 77.517,3.27
  text "H" at 108.148,117.074 h1.5
  text "L" at 108.148,114.661 h1.5
  text "GND" at 108.144,112.121 h1.5
  text "GPIO14" at 87.074,103.231 h1.5
  text "GPIO25" at 87.201,100.818 h1.5
  text "GND" at 87.201,98.278 h1.5
  text "5V" at 12.398,97.262 h1.2
  text "FLT" at 46.324,94.98 h2
  text "DGND" at 12.398,94.722 h1.2
  text "NOT / RDY" at 49.743,93.821 h2
  text "3V3" at 12.398,92.182 h1.2
  text "GPIO61" at 31.194,90.785 h1.5
  text "GPIO59" at 31.321,88.372 h1.5
  text "LS1" at 58.95,88.099 h1.7 r90
  text "LS2" at 62.125,87.947 h1.7 r90
  text "GND" at 31.321,85.832 h1.5
  text "5V" at 20.01,83.165 h1.2
  text "3V3" at 23.947,83.165 h1.2
  text "B5" at 54.804,70.973 h1.5
  text "CLEAR" at 102.834,68.455 h1.2 r90
  text "B4" at 54.804,68.433 h1.5
  text "GND" at 54.804,65.893 h1.5
  text "HS1" at 60.16,65.873 h1.7 r90
  text "HS2" at 63.268,65.752 h1.7 r90
  text "IAC" at 34.546,61.839 h1.7
  text "VAC1_2" at 44.571,61.782 h1.7
  text "RST" at 102.961,60.346 h1.2 r90
  text "VC1" at 45.647,58.537 h1.7
  text "VIN" at 34.335,58.404 h1.7
  text "ControlBoard - qZSI" at 52.606,56.1 h3.5
  text "IIN" at 34.488,55.102 h1.7
  text "VC1_2" at 45.031,55.067 h1.7
  text "MFR R1 - TM 0524" at 52.6,54.298 h2
  text "IBRDG" at 44.944,51.678 h1.7
  text "IL1" at 34.528,51.673 h1.7
  text "Cicconi - García - Tinazzo" at 52.6,51.4 h2
Top Solder:
  lines w1.25: 1.25,11.575 3.25,11.575 ; 1.425,122.3 3.425,122.3 ; 1.65,7.425 3.65,7.425 ; 1.675,127.2 3.675,127.2 ; 112.625,122.675 114.625,122.675 ; 112.625,126.825 114.625,126.825 ; 112.675,7.425 114.675,7.425 ; 112.725,11.575 114.725,11.575
  lines w1.5: 1.25,1.25 1.25,131.75 114.75,131.75 114.75,1.25 1.25,1.25
Bottom Solder:
  lines w1.5: 4.25,1.25 4.25,131.75 111.75,131.75 111.75,1.25 4.25,1.25
Board Shape:
  the board outline again, w0.254
Mechanical 13:
  lines w0.254: 2.46,24.352 13.89,24.352 17.065,21.177 17.065,19.399 18.462,18.002 37.258,18.002 37.766,18.51 49.069,18.51 50.212,19.653 50.212,22.193 52.498,24.479 76.755,24.479 77.136,24.86 92.63,24.86 93.265,24.225 112.569,24.225